# KiCad board tekskey-rounded-half.kicad_pcb (continued)
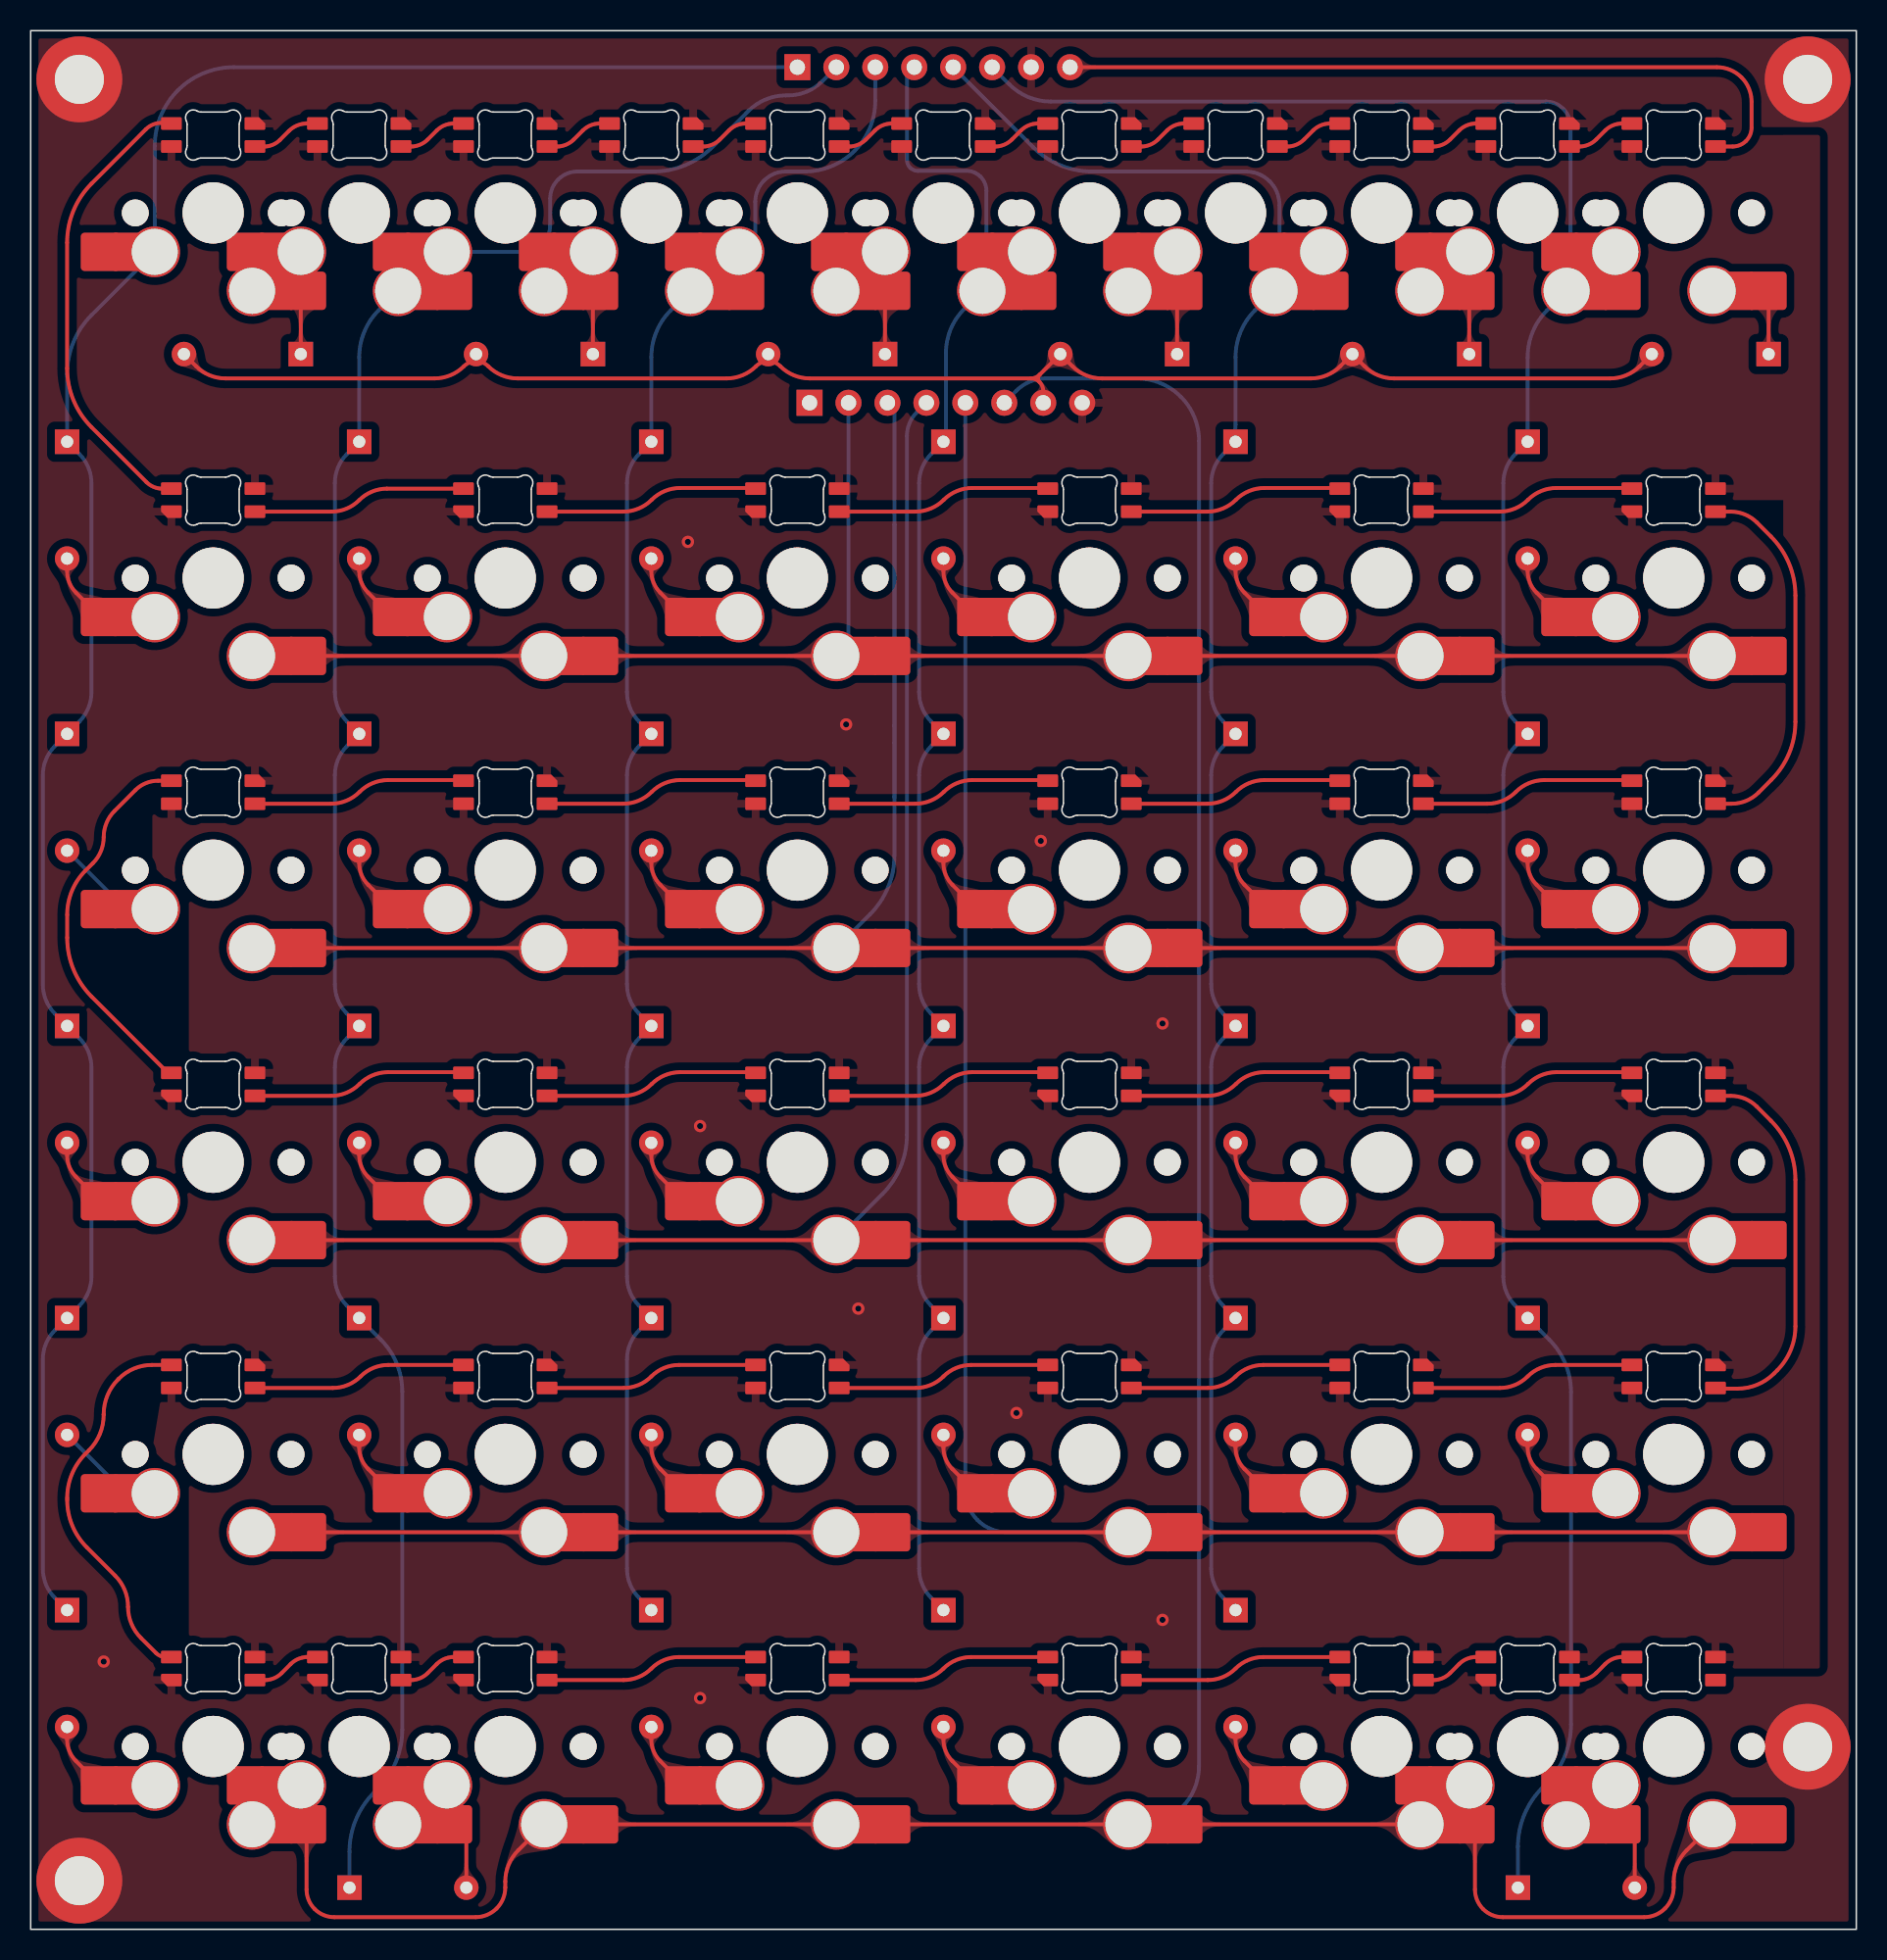
[diagram p0: board, top side]
## Copper pours and planes (outline as drawn; the poured copper is in the pictures) (continued)
Net-(D101-Pad1) on Top: 17.49,104.32 17.48,104.13 17.46,103.98 17.41,103.85 17.36,103.75 17.29,103.65 17.22,103.56 17.14,103.46 17.06,103.35 16.98,103.23 16.9,103.08 17.62,102.33 18.34,103.08 18.26,103.23 18.17,103.35 18.09,103.46 18.01,103.56 17.94,103.65 17.87,103.75 17.82,103.85 17.78,103.98 17.75,104.13 17.74,104.32
Net-(D101-Pad1) on Top: 17.74,104.41 17.76,104.68 17.8,104.89 17.88,105.07 17.98,105.21 18.1,105.34 18.23,105.45 18.39,105.56 18.55,105.69 18.72,105.83 18.9,106 18.18,107.46 16.76,106.68 16.81,106.39 16.89,106.15 16.98,105.95 17.08,105.77 17.18,105.6 17.28,105.42 17.36,105.23 17.43,105 17.48,104.74 17.49,104.41
Net-(D101-Pad1) on Top: 15.59,107.86 15.81,107.63 16,107.42 16.15,107.24 16.28,107.07 16.39,106.9 16.5,106.75 16.61,106.58 16.74,106.41 16.88,106.23 17.06,106.02 18.57,106.62 17.91,108.11 17.71,108.09 17.53,108.08 17.37,108.07 17.21,108.08 17.06,108.1 16.92,108.14 16.77,108.2 16.62,108.29 16.47,108.41 16.29,108.57
Net-(D101-Pad1) on Top: 16.47,108.4 16.24,108.63 16.06,108.84 15.91,109.02 15.78,109.19 15.67,109.36 15.56,109.51 15.45,109.67 15.32,109.85 15.17,110.03 14.99,110.24 13.49,109.63 14.15,108.15 14.35,108.17 14.53,108.18 14.69,108.18 14.85,108.18 14.99,108.16 15.14,108.12 15.28,108.06 15.43,107.97 15.59,107.85 15.76,107.69
Net-(D101-Pad1) on Bottom: 15.1,107.34 15.37,107.58 15.62,107.73 15.85,107.83 16.08,107.87 16.31,107.87 16.55,107.85 16.81,107.81 17.08,107.77 17.38,107.75 17.71,107.75 18.34,109.8 16.26,110.34 16.06,110.02 15.92,109.72 15.83,109.44 15.76,109.17 15.71,108.92 15.64,108.66 15.55,108.4 15.41,108.12 15.21,107.83 14.92,107.52
Net-(D101-Pad1) on Bottom: 16.68,109.27 16.38,109.01 16.11,108.83 15.86,108.72 15.61,108.65 15.36,108.62 15.11,108.61 14.85,108.6 14.56,108.57 14.25,108.52 13.9,108.42 13.86,106.28 16,106.32 16.1,106.67 16.15,106.98 16.18,107.26 16.19,107.53 16.2,107.78 16.23,108.03 16.3,108.28 16.41,108.53 16.59,108.8 16.86,109.1
Net-(D102-Pad1) on Top: 36.79,104.41 36.81,104.68 36.85,104.89 36.93,105.07 37.03,105.21 37.15,105.34 37.28,105.45 37.44,105.56 37.6,105.69 37.77,105.83 37.95,106 37.23,107.46 35.81,106.68 35.86,106.39 35.94,106.15 36.03,105.95 36.13,105.77 36.23,105.6 36.33,105.42 36.41,105.23 36.48,105 36.53,104.74 36.54,104.41
Net-(D102-Pad1) on Top: 34.64,107.86 34.87,107.62 35.05,107.42 35.2,107.23 35.33,107.06 35.44,106.9 35.55,106.74 35.66,106.58 35.79,106.41 35.94,106.23 36.12,106.02 37.62,106.63 36.96,108.11 36.76,108.09 36.58,108.08 36.42,108.07 36.26,108.08 36.12,108.1 35.97,108.13 35.83,108.2 35.68,108.29 35.52,108.41 35.35,108.56
Net-(D102-Pad1) on Top: 36.54,104.32 36.53,104.13 36.51,103.98 36.46,103.85 36.41,103.75 36.34,103.65 36.27,103.56 36.19,103.46 36.11,103.35 36.03,103.23 35.95,103.08 36.67,102.33 37.39,103.08 37.31,103.23 37.22,103.35 37.14,103.46 37.06,103.56 36.99,103.65 36.92,103.75 36.87,103.85 36.83,103.98 36.8,104.13 36.79,104.32
Net-(D102-Pad1) on Top: 35.64,108.28 35.57,108.36 35.51,108.44 35.48,108.51 35.47,108.59 35.46,108.67 35.47,108.74 35.49,108.81 35.52,108.89 35.55,108.96 35.58,109.04 34.84,109.81 34.26,108.82 34.35,108.7 34.42,108.59 34.47,108.48 34.51,108.36 34.55,108.24 34.58,108.12 34.63,107.99 34.7,107.86 34.8,107.72 34.93,107.57
Net-(D102-Pad1) on Bottom: 34.15,107.34 34.42,107.58 34.67,107.73 34.9,107.83 35.13,107.87 35.36,107.87 35.6,107.85 35.86,107.81 36.13,107.77 36.43,107.75 36.76,107.75 37.39,109.8 35.31,110.34 35.11,110.02 34.97,109.72 34.88,109.44 34.81,109.17 34.76,108.92 34.69,108.66 34.6,108.4 34.46,108.12 34.26,107.83 33.97,107.52
Net-(D102-Pad1) on Bottom: 35.73,109.27 35.43,109.01 35.16,108.83 34.91,108.72 34.66,108.65 34.41,108.62 34.16,108.61 33.9,108.6 33.61,108.57 33.3,108.52 32.95,108.42 32.91,106.28 35.05,106.32 35.15,106.67 35.2,106.98 35.23,107.26 35.24,107.53 35.25,107.78 35.28,108.03 35.35,108.28 35.46,108.53 35.64,108.8 35.91,109.1
Net-(D103-Pad1) on Top: 54.69,108.28 54.62,108.36 54.56,108.44 54.53,108.51 54.52,108.59 54.51,108.67 54.52,108.74 54.54,108.81 54.57,108.89 54.6,108.96 54.63,109.04 53.89,109.81 53.31,108.82 53.4,108.7 53.47,108.59 53.52,108.48 53.56,108.36 53.6,108.24 53.63,108.12 53.68,107.99 53.75,107.86 53.85,107.72 53.98,107.57
Net-(D103-Pad1) on Top: 55.84,104.41 55.86,104.68 55.9,104.89 55.98,105.07 56.08,105.21 56.2,105.34 56.33,105.45 56.49,105.56 56.65,105.69 56.82,105.83 57,106 56.28,107.46 54.86,106.68 54.91,106.39 54.99,106.15 55.08,105.95 55.18,105.77 55.28,105.6 55.38,105.42 55.46,105.23 55.53,105 55.58,104.74 55.59,104.41
Net-(D103-Pad1) on Top: 53.69,107.86 53.92,107.62 54.1,107.42 54.25,107.23 54.38,107.06 54.49,106.9 54.6,106.74 54.71,106.58 54.84,106.41 54.99,106.23 55.17,106.02 56.67,106.63 56.01,108.11 55.81,108.09 55.63,108.08 55.47,108.07 55.31,108.08 55.17,108.1 55.02,108.13 54.88,108.2 54.73,108.29 54.57,108.41 54.4,108.56
Net-(D103-Pad1) on Top: 55.59,104.32 55.58,104.13 55.56,103.98 55.51,103.85 55.46,103.75 55.39,103.65 55.32,103.56 55.24,103.46 55.16,103.35 55.08,103.23 55,103.08 55.72,102.33 56.44,103.08 56.36,103.23 56.27,103.35 56.19,103.46 56.11,103.56 56.04,103.65 55.97,103.75 55.92,103.85 55.88,103.98 55.85,104.13 55.84,104.32
Net-(D103-Pad1) on Bottom: 54.78,109.27 54.48,109.01 54.21,108.83 53.96,108.72 53.71,108.65 53.46,108.62 53.21,108.61 52.95,108.6 52.66,108.57 52.35,108.52 52,108.42 51.96,106.28 54.1,106.32 54.2,106.67 54.25,106.98 54.28,107.26 54.29,107.53 54.3,107.78 54.33,108.03 54.4,108.28 54.51,108.53 54.69,108.8 54.96,109.1
Net-(D103-Pad1) on Bottom: 53.2,107.34 53.47,107.58 53.72,107.73 53.95,107.83 54.18,107.87 54.41,107.87 54.65,107.85 54.91,107.81 55.18,107.77 55.48,107.75 55.81,107.75 56.44,109.8 54.36,110.34 54.16,110.02 54.02,109.72 53.93,109.44 53.86,109.17 53.81,108.92 53.74,108.66 53.65,108.4 53.51,108.12 53.31,107.83 53.02,107.52
Net-(D104-Pad1) on Top: 73.74,108.28 73.67,108.36 73.61,108.44 73.58,108.51 73.57,108.59 73.56,108.67 73.57,108.74 73.59,108.81 73.62,108.89 73.65,108.96 73.68,109.04 72.94,109.81 72.36,108.82 72.45,108.7 72.52,108.59 72.57,108.48 72.61,108.36 72.65,108.24 72.68,108.12 72.73,107.99 72.8,107.86 72.9,107.72 73.03,107.57
Net-(D104-Pad1) on Top: 72.74,107.86 72.97,107.62 73.15,107.42 73.3,107.23 73.43,107.06 73.54,106.9 73.65,106.74 73.76,106.58 73.89,106.41 74.04,106.23 74.22,106.02 75.72,106.63 75.06,108.11 74.86,108.09 74.68,108.08 74.52,108.07 74.36,108.08 74.22,108.1 74.07,108.13 73.93,108.2 73.78,108.29 73.62,108.41 73.45,108.56
Net-(D104-Pad1) on Top: 74.64,104.32 74.63,104.13 74.61,103.98 74.56,103.85 74.51,103.75 74.44,103.65 74.37,103.56 74.29,103.46 74.21,103.35 74.13,103.23 74.05,103.08 74.77,102.33 75.49,103.08 75.41,103.23 75.32,103.35 75.24,103.46 75.16,103.56 75.09,103.65 75.02,103.75 74.97,103.85 74.93,103.98 74.9,104.13 74.89,104.32
Net-(D104-Pad1) on Top: 74.89,104.41 74.91,104.68 74.95,104.89 75.03,105.07 75.13,105.21 75.25,105.34 75.38,105.45 75.54,105.56 75.7,105.69 75.87,105.83 76.05,106 75.33,107.46 73.91,106.68 73.96,106.39 74.04,106.15 74.13,105.95 74.23,105.77 74.33,105.6 74.43,105.42 74.51,105.23 74.58,105 74.63,104.74 74.64,104.41
Net-(D104-Pad1) on Bottom: 73.83,109.27 73.53,109.01 73.26,108.83 73.01,108.72 72.76,108.65 72.51,108.62 72.26,108.61 72,108.6 71.71,108.57 71.4,108.52 71.05,108.42 71.01,106.28 73.15,106.32 73.25,106.67 73.3,106.98 73.33,107.26 73.34,107.53 73.35,107.78 73.38,108.03 73.45,108.28 73.56,108.53 73.74,108.8 74.01,109.1
Net-(D104-Pad1) on Bottom: 72.25,107.34 72.52,107.58 72.77,107.73 73,107.83 73.23,107.87 73.46,107.87 73.7,107.85 73.96,107.81 74.23,107.77 74.53,107.75 74.86,107.75 75.49,109.8 73.41,110.34 73.21,110.02 73.07,109.72 72.98,109.44 72.91,109.17 72.86,108.92 72.79,108.66 72.7,108.4 72.56,108.12 72.36,107.83 72.07,107.52
Net-(D105-Pad1) on Top: 92.79,108.28 92.72,108.36 92.66,108.44 92.63,108.51 92.62,108.59 92.61,108.67 92.62,108.74 92.64,108.81 92.67,108.89 92.7,108.96 92.73,109.04 91.99,109.81 91.41,108.82 91.5,108.7 91.57,108.59 91.62,108.48 91.66,108.36 91.7,108.24 91.73,108.12 91.78,107.99 91.85,107.86 91.95,107.72 92.08,107.57
Net-(D105-Pad1) on Top: 91.79,107.86 92.02,107.62 92.2,107.42 92.35,107.23 92.48,107.06 92.59,106.9 92.7,106.74 92.81,106.58 92.94,106.41 93.09,106.23 93.27,106.02 94.77,106.63 94.11,108.11 93.91,108.09 93.73,108.08 93.57,108.07 93.41,108.08 93.27,108.1 93.12,108.13 92.98,108.2 92.83,108.29 92.67,108.41 92.5,108.56
Net-(D105-Pad1) on Top: 93.69,104.32 93.68,104.13 93.66,103.98 93.61,103.85 93.56,103.75 93.49,103.65 93.42,103.56 93.34,103.46 93.26,103.35 93.18,103.23 93.1,103.08 93.82,102.33 94.54,103.08 94.46,103.23 94.37,103.35 94.29,103.46 94.21,103.56 94.14,103.65 94.07,103.75 94.02,103.85 93.98,103.98 93.95,104.13 93.94,104.32
Net-(D105-Pad1) on Top: 93.94,104.41 93.96,104.68 94,104.89 94.08,105.07 94.18,105.21 94.3,105.34 94.43,105.45 94.59,105.56 94.75,105.69 94.92,105.83 95.1,106 94.38,107.46 92.96,106.68 93.01,106.39 93.09,106.15 93.18,105.95 93.28,105.77 93.38,105.6 93.48,105.42 93.56,105.23 93.63,105 93.68,104.74 93.69,104.41
Net-(D105-Pad1) on Bottom: 91.3,107.34 91.57,107.58 91.82,107.73 92.05,107.83 92.28,107.87 92.51,107.87 92.75,107.85 93.01,107.81 93.28,107.77 93.58,107.75 93.91,107.75 94.54,109.8 92.46,110.34 92.26,110.02 92.12,109.72 92.03,109.44 91.96,109.17 91.91,108.92 91.84,108.66 91.75,108.4 91.61,108.12 91.41,107.83 91.12,107.52
Net-(D105-Pad1) on Bottom: 92.88,109.27 92.58,109.01 92.31,108.83 92.06,108.72 91.81,108.65 91.56,108.62 91.31,108.61 91.05,108.6 90.76,108.57 90.45,108.52 90.1,108.42 90.06,106.28 92.2,106.32 92.3,106.67 92.35,106.98 92.38,107.26 92.39,107.53 92.4,107.78 92.43,108.03 92.5,108.28 92.61,108.53 92.79,108.8 93.06,109.1
Net-(D106-Pad1) on Top: 113.47,104.36 113.48,104.66 113.53,104.91 113.6,105.12 113.69,105.3 113.8,105.46 113.92,105.61 114.04,105.77 114.17,105.94 114.29,106.15 114.41,106.41 113.19,107.48 112.16,106.23 112.31,106 112.46,105.82 112.6,105.66 112.74,105.52 112.87,105.39 112.99,105.24 113.08,105.08 113.15,104.89 113.2,104.65 113.22,104.36
Net-(D106-Pad1) on Top: 113.22,104.32 113.21,104.13 113.18,103.98 113.14,103.85 113.08,103.75 113.02,103.65 112.95,103.56 112.87,103.46 112.79,103.35 112.7,103.23 112.62,103.08 113.34,102.33 114.06,103.08 113.98,103.23 113.9,103.35 113.82,103.46 113.74,103.56 113.67,103.65 113.6,103.75 113.55,103.85 113.5,103.98 113.48,104.13 113.47,104.32
Net-(D107-Pad2) on Top: 2.65,87.85 2.6,88.01 2.58,88.15 2.59,88.27 2.63,88.38 2.69,88.48 2.76,88.57 2.84,88.68 2.93,88.78 3.02,88.91 3.1,89.05 2.38,89.8 1.66,89.05 1.74,88.89 1.82,88.75 1.89,88.63 1.97,88.53 2.04,88.43 2.11,88.33 2.18,88.22 2.26,88.09 2.34,87.94 2.42,87.75
Net-(D107-Pad2) on Top: 2.28,88.25 2.36,87.84 2.45,87.5 2.56,87.22 2.68,86.98 2.8,86.76 2.92,86.54 3.04,86.31 3.14,86.06 3.23,85.76 3.31,85.39 4.98,85.15 4.95,86.77 4.6,86.87 4.26,86.95 3.94,87.01 3.64,87.08 3.37,87.15 3.13,87.26 2.92,87.41 2.75,87.62 2.61,87.91 2.52,88.29
Net-(D108-Pad2) on Top: 21.33,88.25 21.41,87.84 21.5,87.5 21.61,87.22 21.73,86.98 21.85,86.76 21.97,86.54 22.09,86.31 22.19,86.06 22.28,85.76 22.36,85.39 24.03,85.15 24,86.77 23.65,86.87 23.31,86.95 22.99,87.01 22.69,87.08 22.42,87.15 22.18,87.26 21.97,87.41 21.8,87.62 21.66,87.91 21.57,88.29
Net-(D108-Pad2) on Top: 21.7,87.85 21.65,88.01 21.63,88.15 21.64,88.27 21.68,88.38 21.74,88.48 21.81,88.57 21.89,88.68 21.98,88.78 22.07,88.91 22.15,89.05 21.43,89.8 20.71,89.05 20.79,88.89 20.87,88.75 20.94,88.63 21.02,88.53 21.09,88.43 21.16,88.33 21.23,88.22 21.31,88.09 21.39,87.94 21.47,87.75
Net-(D109-Pad2) on Top: 40.38,88.25 40.46,87.84 40.55,87.5 40.66,87.22 40.78,86.98 40.9,86.76 41.02,86.54 41.14,86.31 41.24,86.06 41.33,85.76 41.41,85.39 43.08,85.15 43.05,86.77 42.7,86.87 42.36,86.95 42.04,87.01 41.74,87.08 41.47,87.15 41.23,87.26 41.02,87.41 40.85,87.62 40.71,87.91 40.62,88.29
Net-(D109-Pad2) on Top: 40.75,87.85 40.7,88.01 40.68,88.15 40.69,88.27 40.73,88.38 40.79,88.48 40.86,88.57 40.94,88.68 41.03,88.78 41.12,88.91 41.2,89.05 40.48,89.8 39.76,89.05 39.84,88.89 39.92,88.75 39.99,88.63 40.07,88.53 40.14,88.43 40.21,88.33 40.28,88.22 40.36,88.09 40.44,87.94 40.52,87.75
Net-(D110-Pad2) on Top: 59.8,87.85 59.75,88.01 59.73,88.15 59.74,88.27 59.78,88.38 59.84,88.48 59.91,88.57 59.99,88.68 60.08,88.78 60.17,88.91 60.25,89.05 59.53,89.8 58.81,89.05 58.89,88.89 58.97,88.75 59.04,88.63 59.12,88.53 59.19,88.43 59.26,88.33 59.33,88.22 59.41,88.09 59.49,87.94 59.57,87.75
Net-(D110-Pad2) on Top: 59.43,88.25 59.51,87.84 59.6,87.5 59.71,87.22 59.83,86.98 59.95,86.76 60.07,86.54 60.19,86.31 60.29,86.06 60.38,85.76 60.46,85.39 62.13,85.15 62.1,86.77 61.75,86.87 61.41,86.95 61.09,87.01 60.79,87.08 60.52,87.15 60.28,87.26 60.07,87.41 59.9,87.62 59.76,87.91 59.67,88.29
Net-(D111-Pad2) on Top: 78.85,87.85 78.8,88.01 78.78,88.15 78.79,88.27 78.83,88.38 78.89,88.48 78.96,88.57 79.04,88.68 79.13,88.78 79.22,88.91 79.3,89.05 78.58,89.8 77.86,89.05 77.94,88.89 78.02,88.75 78.09,88.63 78.17,88.53 78.24,88.43 78.31,88.33 78.38,88.22 78.46,88.09 78.54,87.94 78.62,87.75
Net-(D111-Pad2) on Top: 78.48,88.25 78.56,87.84 78.65,87.5 78.76,87.22 78.88,86.98 79,86.76 79.12,86.54 79.24,86.31 79.34,86.06 79.43,85.76 79.51,85.39 81.18,85.15 81.15,86.77 80.8,86.87 80.46,86.95 80.14,87.01 79.84,87.08 79.57,87.15 79.33,87.26 79.12,87.41 78.95,87.62 78.81,87.91 78.72,88.29
Net-(D112-Pad2) on Top: 97.53,88.25 97.61,87.84 97.7,87.5 97.81,87.22 97.93,86.98 98.05,86.76 98.17,86.54 98.29,86.31 98.39,86.06 98.48,85.76 98.56,85.39 100.23,85.15 100.2,86.77 99.85,86.87 99.51,86.95 99.19,87.01 98.89,87.08 98.62,87.15 98.38,87.26 98.17,87.41 98,87.62 97.86,87.91 97.77,88.29
Net-(D112-Pad2) on Top: 97.9,87.85 97.85,88.01 97.83,88.15 97.84,88.27 97.88,88.38 97.94,88.48 98.01,88.57 98.09,88.68 98.18,88.78 98.27,88.91 98.35,89.05 97.63,89.8 96.91,89.05 96.99,88.89 97.07,88.75 97.14,88.63 97.22,88.53 97.29,88.43 97.36,88.33 97.43,88.22 97.51,88.09 97.59,87.94 97.67,87.75
Net-(D113-Pad2) on Bottom: 3.59,69.31 3.46,69.45 3.37,69.58 3.31,69.7 3.28,69.81 3.25,69.93 3.24,70.05 3.23,70.17 3.21,70.3 3.18,70.45 3.13,70.61 2.09,70.63 2.11,69.59 2.28,69.54 2.42,69.51 2.56,69.5 2.68,69.48 2.8,69.47 2.91,69.45 3.03,69.41 3.15,69.35 3.27,69.26 3.41,69.13
Net-(D113-Pad2) on Bottom: 5.02,67.53 5.29,67.24 5.52,67 5.71,66.78 5.87,66.59 6.01,66.41 6.15,66.23 6.31,66.04 6.48,65.85 6.68,65.62 6.92,65.37 8.91,66.41 7.61,68.12 7.31,68 7.04,67.87 6.79,67.72 6.56,67.58 6.34,67.47 6.12,67.38 5.9,67.35 5.68,67.38 5.45,67.5 5.2,67.7
Net-(D114-Pad2) on Top: 21.7,68.8 21.65,68.96 21.63,69.1 21.64,69.22 21.68,69.33 21.74,69.43 21.81,69.52 21.89,69.63 21.98,69.73 22.07,69.86 22.15,70 21.43,70.75 20.71,70 20.79,69.84 20.87,69.7 20.94,69.58 21.02,69.48 21.09,69.38 21.16,69.28 21.23,69.17 21.31,69.04 21.39,68.89 21.47,68.7
Net-(D114-Pad2) on Top: 21.33,69.2 21.41,68.79 21.5,68.45 21.61,68.17 21.73,67.93 21.85,67.71 21.97,67.49 22.09,67.26 22.19,67.01 22.28,66.71 22.36,66.34 24.03,66.1 24,67.72 23.65,67.82 23.31,67.9 22.99,67.96 22.69,68.03 22.42,68.1 22.18,68.21 21.97,68.36 21.8,68.57 21.66,68.86 21.57,69.24
Net-(D115-Pad2) on Top: 40.75,68.8 40.7,68.96 40.68,69.1 40.69,69.22 40.73,69.33 40.79,69.43 40.86,69.52 40.94,69.63 41.03,69.73 41.12,69.86 41.2,70 40.48,70.75 39.76,70 39.84,69.84 39.92,69.7 39.99,69.58 40.07,69.48 40.14,69.38 40.21,69.28 40.28,69.17 40.36,69.04 40.44,68.89 40.52,68.7
Net-(D115-Pad2) on Top: 40.38,69.2 40.46,68.79 40.55,68.45 40.66,68.17 40.78,67.93 40.9,67.71 41.02,67.49 41.14,67.26 41.24,67.01 41.33,66.71 41.41,66.34 43.08,66.1 43.05,67.72 42.7,67.82 42.36,67.9 42.04,67.96 41.74,68.03 41.47,68.1 41.23,68.21 41.02,68.36 40.85,68.57 40.71,68.86 40.62,69.24
Net-(D116-Pad2) on Top: 59.8,68.8 59.75,68.96 59.73,69.1 59.74,69.22 59.78,69.33 59.84,69.43 59.91,69.52 59.99,69.63 60.08,69.73 60.17,69.86 60.25,70 59.53,70.75 58.81,70 58.89,69.84 58.97,69.7 59.04,69.58 59.12,69.48 59.19,69.38 59.26,69.28 59.33,69.17 59.41,69.04 59.49,68.89 59.57,68.7
Net-(D116-Pad2) on Top: 59.43,69.2 59.51,68.79 59.6,68.45 59.71,68.17 59.83,67.93 59.95,67.71 60.07,67.49 60.19,67.26 60.29,67.01 60.38,66.71 60.46,66.34 62.13,66.1 62.1,67.72 61.75,67.82 61.41,67.9 61.09,67.96 60.79,68.03 60.52,68.1 60.28,68.21 60.07,68.36 59.9,68.57 59.76,68.86 59.67,69.24
Net-(D117-Pad2) on Top: 78.48,69.2 78.56,68.79 78.65,68.45 78.76,68.17 78.88,67.93 79,67.71 79.12,67.49 79.24,67.26 79.34,67.01 79.43,66.71 79.51,66.34 81.18,66.1 81.15,67.72 80.8,67.82 80.46,67.9 80.14,67.96 79.84,68.03 79.57,68.1 79.33,68.21 79.12,68.36 78.95,68.57 78.81,68.86 78.72,69.24
Net-(D117-Pad2) on Top: 78.85,68.8 78.8,68.96 78.78,69.1 78.79,69.22 78.83,69.33 78.89,69.43 78.96,69.52 79.04,69.63 79.13,69.73 79.22,69.86 79.3,70 78.58,70.75 77.86,70 77.94,69.84 78.02,69.7 78.09,69.58 78.17,69.48 78.24,69.38 78.31,69.28 78.38,69.17 78.46,69.04 78.54,68.89 78.62,68.7
Net-(D118-Pad2) on Top: 97.53,69.2 97.61,68.79 97.7,68.45 97.81,68.17 97.93,67.93 98.05,67.71 98.17,67.49 98.29,67.26 98.39,67.01 98.48,66.71 98.56,66.34 100.23,66.1 100.2,67.72 99.85,67.82 99.51,67.9 99.19,67.96 98.89,68.03 98.62,68.1 98.38,68.21 98.17,68.36 98,68.57 97.86,68.86 97.77,69.24
Net-(D118-Pad2) on Top: 97.9,68.8 97.85,68.96 97.83,69.1 97.84,69.22 97.88,69.33 97.94,69.43 98.01,69.52 98.09,69.63 98.18,69.73 98.27,69.86 98.35,70 97.63,70.75 96.91,70 96.99,69.84 97.07,69.7 97.14,69.58 97.22,69.48 97.29,69.38 97.36,69.28 97.43,69.17 97.51,69.04 97.59,68.89 97.67,68.7
Net-(D119-Pad2) on Top: 2.65,49.75 2.6,49.91 2.58,50.05 2.59,50.17 2.63,50.28 2.69,50.38 2.76,50.47 2.84,50.58 2.93,50.68 3.02,50.81 3.1,50.95 2.38,51.7 1.66,50.95 1.74,50.79 1.82,50.65 1.89,50.53 1.97,50.43 2.04,50.33 2.11,50.23 2.18,50.12 2.26,49.99 2.34,49.84 2.42,49.65
Net-(D119-Pad2) on Top: 2.28,50.15 2.36,49.74 2.45,49.4 2.56,49.12 2.68,48.88 2.8,48.66 2.92,48.44 3.04,48.21 3.14,47.96 3.23,47.66 3.31,47.29 4.98,47.05 4.95,48.67 4.6,48.77 4.26,48.85 3.94,48.91 3.64,48.98 3.37,49.05 3.13,49.16 2.92,49.31 2.75,49.52 2.61,49.81 2.52,50.19
Net-(D120-Pad2) on Top: 21.33,50.15 21.41,49.74 21.5,49.4 21.61,49.12 21.73,48.88 21.85,48.66 21.97,48.44 22.09,48.21 22.19,47.96 22.28,47.66 22.36,47.29 24.03,47.05 24,48.67 23.65,48.77 23.31,48.85 22.99,48.91 22.69,48.98 22.42,49.05 22.18,49.16 21.97,49.31 21.8,49.52 21.66,49.81 21.57,50.19
Net-(D120-Pad2) on Top: 21.7,49.75 21.65,49.91 21.63,50.05 21.64,50.17 21.68,50.28 21.74,50.38 21.81,50.47 21.89,50.58 21.98,50.68 22.07,50.81 22.15,50.95 21.43,51.7 20.71,50.95 20.79,50.79 20.87,50.65 20.94,50.53 21.02,50.43 21.09,50.33 21.16,50.23 21.23,50.12 21.31,49.99 21.39,49.84 21.47,49.65
Net-(D121-Pad2) on Top: 40.75,49.75 40.7,49.91 40.68,50.05 40.69,50.17 40.73,50.28 40.79,50.38 40.86,50.47 40.94,50.58 41.03,50.68 41.12,50.81 41.2,50.95 40.48,51.7 39.76,50.95 39.84,50.79 39.92,50.65 39.99,50.53 40.07,50.43 40.14,50.33 40.21,50.23 40.28,50.12 40.36,49.99 40.44,49.84 40.52,49.65
Net-(D121-Pad2) on Top: 40.38,50.15 40.46,49.74 40.55,49.4 40.66,49.12 40.78,48.88 40.9,48.66 41.02,48.44 41.14,48.21 41.24,47.96 41.33,47.66 41.41,47.29 43.08,47.05 43.05,48.67 42.7,48.77 42.36,48.85 42.04,48.91 41.74,48.98 41.47,49.05 41.23,49.16 41.02,49.31 40.85,49.52 40.71,49.81 40.62,50.19
Net-(D122-Pad2) on Top: 59.43,50.15 59.51,49.74 59.6,49.4 59.71,49.12 59.83,48.88 59.95,48.66 60.07,48.44 60.19,48.21 60.29,47.96 60.38,47.66 60.46,47.29 62.13,47.05 62.1,48.67 61.75,48.77 61.41,48.85 61.09,48.91 60.79,48.98 60.52,49.05 60.28,49.16 60.07,49.31 59.9,49.52 59.76,49.81 59.67,50.19
Net-(D122-Pad2) on Top: 59.8,49.75 59.75,49.91 59.73,50.05 59.74,50.17 59.78,50.28 59.84,50.38 59.91,50.47 59.99,50.58 60.08,50.68 60.17,50.81 60.25,50.95 59.53,51.7 58.81,50.95 58.89,50.79 58.97,50.65 59.04,50.53 59.12,50.43 59.19,50.33 59.26,50.23 59.33,50.12 59.41,49.99 59.49,49.84 59.57,49.65
Net-(D123-Pad2) on Top: 78.48,50.15 78.56,49.74 78.65,49.4 78.76,49.12 78.88,48.88 79,48.66 79.12,48.44 79.24,48.21 79.34,47.96 79.43,47.66 79.51,47.29 81.18,47.05 81.15,48.67 80.8,48.77 80.46,48.85 80.14,48.91 79.84,48.98 79.57,49.05 79.33,49.16 79.12,49.31 78.95,49.52 78.81,49.81 78.72,50.19
Net-(D123-Pad2) on Top: 78.85,49.75 78.8,49.91 78.78,50.05 78.79,50.17 78.83,50.28 78.89,50.38 78.96,50.47 79.04,50.58 79.13,50.68 79.22,50.81 79.3,50.95 78.58,51.7 77.86,50.95 77.94,50.79 78.02,50.65 78.09,50.53 78.17,50.43 78.24,50.33 78.31,50.23 78.38,50.12 78.46,49.99 78.54,49.84 78.62,49.65
Net-(D124-Pad2) on Top: 97.53,50.15 97.61,49.74 97.7,49.4 97.81,49.12 97.93,48.88 98.05,48.66 98.17,48.44 98.29,48.21 98.39,47.96 98.48,47.66 98.56,47.29 100.23,47.05 100.2,48.67 99.85,48.77 99.51,48.85 99.19,48.91 98.89,48.98 98.62,49.05 98.38,49.16 98.17,49.31 98,49.52 97.86,49.81 97.77,50.19
Net-(D124-Pad2) on Top: 97.9,49.75 97.85,49.91 97.83,50.05 97.84,50.17 97.88,50.28 97.94,50.38 98.01,50.47 98.09,50.58 98.18,50.68 98.27,50.81 98.35,50.95 97.63,51.7 96.91,50.95 96.99,50.79 97.07,50.65 97.14,50.53 97.22,50.43 97.29,50.33 97.36,50.23 97.43,50.12 97.51,49.99 97.59,49.84 97.67,49.65
Net-(D125-Pad2) on Bottom: 3.59,31.21 3.46,31.35 3.37,31.48 3.31,31.6 3.28,31.71 3.25,31.83 3.24,31.95 3.23,32.07 3.21,32.2 3.18,32.35 3.13,32.51 2.09,32.53 2.11,31.49 2.28,31.44 2.42,31.41 2.56,31.4 2.68,31.38 2.8,31.37 2.91,31.35 3.03,31.31 3.15,31.25 3.27,31.16 3.41,31.03
Net-(D125-Pad2) on Bottom: 5.02,29.43 5.29,29.14 5.52,28.9 5.71,28.68 5.87,28.49 6.01,28.31 6.15,28.13 6.31,27.94 6.48,27.75 6.68,27.52 6.92,27.27 8.91,28.31 7.61,30.02 7.31,29.9 7.04,29.77 6.79,29.62 6.56,29.48 6.34,29.37 6.12,29.28 5.9,29.25 5.68,29.28 5.45,29.4 5.2,29.6
Net-(D126-Pad2) on Top: 21.33,31.1 21.41,30.69 21.5,30.35 21.61,30.07 21.73,29.83 21.85,29.61 21.97,29.39 22.09,29.16 22.19,28.91 22.28,28.61 22.36,28.24 24.03,28 24,29.62 23.65,29.72 23.31,29.8 22.99,29.86 22.69,29.93 22.42,30 22.18,30.11 21.97,30.26 21.8,30.47 21.66,30.76 21.57,31.14
Net-(D126-Pad2) on Top: 21.7,30.7 21.65,30.86 21.63,31 21.64,31.12 21.68,31.23 21.74,31.33 21.81,31.42 21.89,31.53 21.98,31.63 22.07,31.76 22.15,31.9 21.43,32.65 20.71,31.9 20.79,31.74 20.87,31.6 20.94,31.48 21.02,31.38 21.09,31.28 21.16,31.18 21.23,31.07 21.31,30.94 21.39,30.79 21.47,30.6
Net-(D127-Pad2) on Top: 40.75,30.7 40.7,30.86 40.68,31 40.69,31.12 40.73,31.23 40.79,31.33 40.86,31.42 40.94,31.53 41.03,31.63 41.12,31.76 41.2,31.9 40.48,32.65 39.76,31.9 39.84,31.74 39.92,31.6 39.99,31.48 40.07,31.38 40.14,31.28 40.21,31.18 40.28,31.07 40.36,30.94 40.44,30.79 40.52,30.6
Net-(D127-Pad2) on Top: 40.38,31.1 40.46,30.69 40.55,30.35 40.66,30.07 40.78,29.83 40.9,29.61 41.02,29.39 41.14,29.16 41.24,28.91 41.33,28.61 41.41,28.24 43.08,28 43.05,29.62 42.7,29.72 42.36,29.8 42.04,29.86 41.74,29.93 41.47,30 41.23,30.11 41.02,30.26 40.85,30.47 40.71,30.76 40.62,31.14
Net-(D128-Pad2) on Top: 59.8,30.7 59.75,30.86 59.73,31 59.74,31.12 59.78,31.23 59.84,31.33 59.91,31.42 59.99,31.53 60.08,31.63 60.17,31.76 60.25,31.9 59.53,32.65 58.81,31.9 58.89,31.74 58.97,31.6 59.04,31.48 59.12,31.38 59.19,31.28 59.26,31.18 59.33,31.07 59.41,30.94 59.49,30.79 59.57,30.6
Net-(D128-Pad2) on Top: 59.43,31.1 59.51,30.69 59.6,30.35 59.71,30.07 59.83,29.83 59.95,29.61 60.07,29.39 60.19,29.16 60.29,28.91 60.38,28.61 60.46,28.24 62.13,28 62.1,29.62 61.75,29.72 61.41,29.8 61.09,29.86 60.79,29.93 60.52,30 60.28,30.11 60.07,30.26 59.9,30.47 59.76,30.76 59.67,31.14
Net-(D129-Pad2) on Top: 78.48,31.1 78.56,30.69 78.65,30.35 78.76,30.07 78.88,29.83 79,29.61 79.12,29.39 79.24,29.16 79.34,28.91 79.43,28.61 79.51,28.24 81.18,28 81.15,29.62 80.8,29.72 80.46,29.8 80.14,29.86 79.84,29.93 79.57,30 79.33,30.11 79.12,30.26 78.95,30.47 78.81,30.76 78.72,31.14
Net-(D129-Pad2) on Top: 78.85,30.7 78.8,30.86 78.78,31 78.79,31.12 78.83,31.23 78.89,31.33 78.96,31.42 79.04,31.53 79.13,31.63 79.22,31.76 79.3,31.9 78.58,32.65 77.86,31.9 77.94,31.74 78.02,31.6 78.09,31.48 78.17,31.38 78.24,31.28 78.31,31.18 78.38,31.07 78.46,30.94 78.54,30.79 78.62,30.6
Net-(D130-Pad2) on Top: 97.53,31.1 97.61,30.69 97.7,30.35 97.81,30.07 97.93,29.83 98.05,29.61 98.17,29.39 98.29,29.16 98.39,28.91 98.48,28.61 98.56,28.24 100.23,28 100.2,29.62 99.85,29.72 99.51,29.8 99.19,29.86 98.89,29.93 98.62,30 98.38,30.11 98.17,30.26 98,30.47 97.86,30.76 97.77,31.14
Net-(D130-Pad2) on Top: 97.9,30.7 97.85,30.86 97.83,31 97.84,31.12 97.88,31.23 97.94,31.33 98.01,31.42 98.09,31.53 98.18,31.63 98.27,31.76 98.35,31.9 97.63,32.65 96.91,31.9 96.99,31.74 97.07,31.6 97.14,31.48 97.22,31.38 97.29,31.28 97.36,31.18 97.43,31.07 97.51,30.94 97.59,30.79 97.67,30.6
Net-(D131-Pad2) on Top: 2.28,12.05 2.36,11.64 2.45,11.3 2.56,11.02 2.68,10.78 2.8,10.56 2.92,10.34 3.04,10.11 3.14,9.86 3.23,9.56 3.31,9.19 4.98,8.95 4.95,10.57 4.6,10.67 4.26,10.75 3.94,10.81 3.64,10.88 3.37,10.95 3.13,11.06 2.92,11.21 2.75,11.42 2.61,11.71 2.52,12.09
Net-(D131-Pad2) on Top: 2.65,11.65 2.6,11.81 2.58,11.95 2.59,12.07 2.63,12.18 2.69,12.28 2.76,12.37 2.84,12.48 2.93,12.58 3.02,12.71 3.1,12.85 2.38,13.6 1.66,12.85 1.74,12.69 1.82,12.55 1.89,12.43 1.97,12.33 2.04,12.23 2.11,12.13 2.18,12.02 2.26,11.89 2.34,11.74 2.42,11.55
